# KiCad board Pro_Rev2.kicad_pcb (continued)
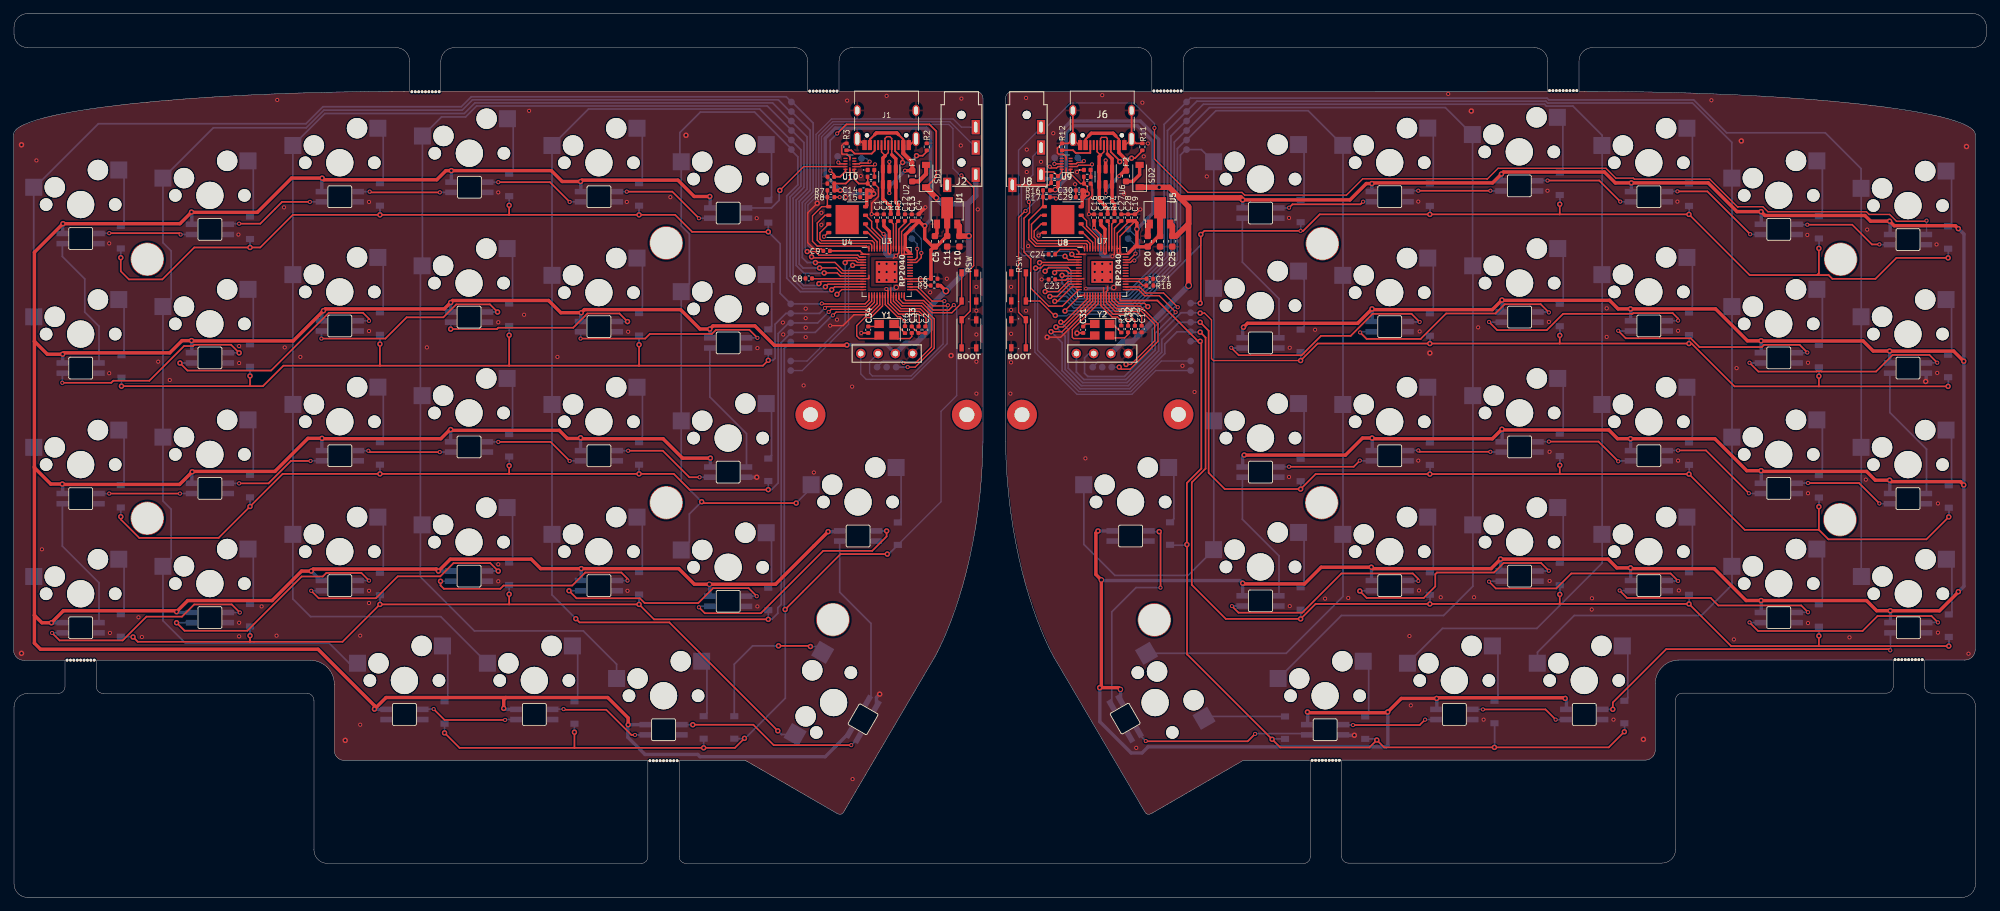
[diagram p0: board, top side]
## Footprints (pads in the part's own frame, mm; a bottom-side part is the same pattern mirrored in y, then rotated)
breakaway04
  round 0.4 hole 0.4 unplated: (-2,0) (-1.5,0) (-1,0) (-0.5,0) (0,0) (0.5,0) (1,0) (1.5,0) (2,0)
C_0402_1005Metric
  rrect 0.56x0.62 smd: 1(-0.48,0) 2(0.48,0)
C_0603_1608Metric
  rrect 0.9x0.95 smd: 1(-0.775,0) 2(0.775,0)
Crystal_SMD_3225-4Pin_3.2x2.5mm
  rect 1.4x1.2 smd: 1(-1.1,-0.85) 2(1.1,-0.85) 3(1.1,0.85) 4(-1.1,0.85)
D_SOD-123
  rect 0.9x1.2 smd: 1(-1.65,0) 2(1.65,0)
Fuse_0603_1608Metric
  rrect 0.875x0.95 smd: 1(-0.787,0) 2(0.787,0)
HOLE_M2_TH
  round 4.9 hole 4.7: (0,0)
LED_0402_1005Metric
  rrect 0.59x0.64 smd: 1(-0.485,0) 2(0.485,0)
MountingHole_2.2mm_M2_Pad
  round 4.4 hole 2.2: 1(0,0)
MX_Socket
  round 1.85 hole 1.85 unplated: (-5.08,0) (5.08,0)
  round 3 hole 3 unplated: (-3.81,2.54) (2.54,5.08)
  round 4 hole 4 unplated: (0,0)
  rect 2.5x2.5 smd far side: 1(-6.9,2.54) 2(5.6,5.08)
OLED_4Pin
  round 1.397 hole 0.813: 1(-3.8,0) 2(-1.26,0) 3(1.28,0) 4(3.82,0)
PJ-320
  round 1.2 hole 1.2 unplated: (0,4.5) (0,-2.5)
  rect 1.2x2.1 hole 0.5x1.6: R1(2.1,-0.3) R2(2.1,2.7) S(-2.1,-5.8) T(2.1,-4.3)
QFN-56-1EP_7x7mm_P0.4mm_EP3.2x3.2mm
  rrect 1.29x1.29 smd: (-0.8,0.8) (-0.8,-0.8) (0.8,0.8) (0.8,-0.8)
  rrect 0.875x0.2 smd: 1(-3.438,2.6) 2(-3.438,2.2) 3(-3.438,1.8) 4(-3.438,1.4) 5(-3.438,1) 6(-3.438,0.6) 7(-3.438,0.2) 8(-3.438,-0.2) 9(-3.438,-0.6) 10(-3.438,-1) 11(-3.438,-1.4) 12(-3.438,-1.8) 13(-3.438,-2.2) 14(-3.438,-2.6) 29(3.438,-2.6) 30(3.438,-2.2) 31(3.438,-1.8) 32(3.438,-1.4) 33(3.438,-1) 34(3.438,-0.6) 35(3.438,-0.2) 36(3.438,0.2) 37(3.438,0.6) 38(3.438,1) 39(3.438,1.4) 40(3.438,1.8) 41(3.438,2.2) 42(3.438,2.6)
  rrect 0.2x0.875 smd: 15(-2.6,-3.438) 16(-2.2,-3.438) 17(-1.8,-3.438) 18(-1.4,-3.438) 19(-1,-3.438) 20(-0.6,-3.438) 21(-0.2,-3.438) 22(0.2,-3.438) 23(0.6,-3.438) 24(1,-3.438) 25(1.4,-3.438) 26(1.8,-3.438) 27(2.2,-3.438) 28(2.6,-3.438) 43(2.6,3.438) 44(2.2,3.438) 45(1.8,3.438) 46(1.4,3.438) 47(1,3.438) 48(0.6,3.438) 49(0.2,3.438) 50(-0.2,3.438) 51(-0.6,3.438) 52(-1,3.438) 53(-1.4,3.438) 54(-1.8,3.438) 55(-2.2,3.438) 56(-2.6,3.438)
  rect 3.2x3.2 smd: 57(0,0)
R_0402_1005Metric
  rrect 0.54x0.64 smd: 1(-0.51,0) 2(0.51,0)
SK6812MINI-E
  rect 1.72x0.82 smd: 1(2.69,0.75) 2(2.69,-0.75)
  rect 1.71x0.82 smd: 3(-2.695,-0.75) 4(-2.695,0.75)
SOT-23-6
  rrect 1.325x0.6 smd: 1(-1.137,0.95) 2(-1.137,0) 3(-1.137,-0.95) 4(1.137,-0.95) 5(1.137,0) 6(1.137,0.95)
SOT-89-3
  rect 1.3x0.9 smd: 1(-1.95,1.5) 3(-1.95,-1.5)
  custom 4.6x1.733 smd: 2(-1.863,0)
SW_Push_1P1T_NO_Vertical_Wuerth_434133025816
  rect 1.05x0.65 smd: 1(-2.075,1.075) 1(2.075,1.075) 2(-2.075,-1.075) 2(2.05,-1.075)
TestPoint_Pad_1mm
  round 1 smd: 1(0,0)
Texas_R-PUQFN-N12
  rect 0.6x0.2 smd: 1(-0.65,0.8) 2(-0.65,0.4) 3(-0.65,0) 4(-0.65,-0.4) 5(-0.65,-0.8) 7(0.65,-0.8) 8(0.65,-0.4) 9(0.65,0) 10(0.65,0.4) 11(0.65,0.8)
  rect 0.15x0.25 smd: 1(-0.425,0.975)
  rect 0.2x0.6 smd: 6(0,-0.8) 12(0,0.8)
USB_C_Receptacle_HRO_TYPE-C-31-M-12
  round 0.65 hole 0.65 unplated: (-2.89,2.6) (2.89,2.6)
  rect 0.6x1.45 smd: A1(-3.25,4.045) A4(-2.45,4.045) A9(2.45,4.045) A12(3.25,4.045) B1(3.25,4.045) B4(2.45,4.045) B9(-2.45,4.045) B12(-3.25,4.045)
  rect 0.3x1.45 smd: A5(-1.25,4.045) A6(-0.25,4.045) A7(0.25,4.045) A8(1.25,4.045) B5(1.75,4.045) B6(0.75,4.045) B7(-0.75,4.045) B8(-1.75,4.045)
  oval 1x2.1 hole 0.6x1.7: S1(-4.32,3.13) S1(4.32,3.13)
  oval 1x1.6 hole 0.6x1.2: S1(-4.32,-1.05) S1(4.32,-1.05)
WSON-8-1EP_6x5mm_P1.27mm_EP3.4x4.3mm
  rrect 1.37x1.73 smd: (-0.85,1.075) (-0.85,-1.075) (0.85,1.075) (0.85,-1.075)
  rrect 0.75x0.5 smd: 1(-2.7,1.905) 2(-2.7,0.635) 3(-2.7,-0.635) 4(-2.7,-1.905) 5(2.7,-1.905) 6(2.7,-0.635) 7(2.7,0.635) 8(2.7,1.905)
  rect 3.4x4.3 smd: 9(0,0)

## Nets
+1V1: C1.1 C2.1 C12.1 U3.23 U3.45 U3.50
+1V2: C16.1 C17.1 C27.1 U7.23 U7.45 U7.50
+3.3VA: C18.1 C19.1 C20.1 C21.1 C22.1 C23.1 C24.1 C26.1 C28.1 C29.1 C30.1 C37.2 R10.2 R16.1 R20.2 U5.2 U7.1 U7.10 U7.22 U7.33 U7.42 U7.43 U7.44 U7.48 U7.49 U8.8 U9.1 U9.12
+3V3: C3.1 C4.1 C5.1 C6.1 C7.1 C8.1 C9.1 C11.1 C13.1 C14.1 C15.1 C35.2 R1.2 R7.1 R19.2 U1.2 U3.1 U3.10 U3.22 U3.33 U3.42 U3.43 U3.44 U3.48 U3.49 U4.8 U10.1 U10.12
+5V: C10.1 C36.1 J2.T J3.3 LED1.1 LED2.1 LED3.1 LED4.1 LED5.1 LED6.1 LED7.1 LED8.1 LED9.1 LED10.1 LED11.1 LED12.1 LED13.1 LED14.1 LED15.1 LED16.1 LED17.1 LED18.1 LED19.1 LED20.1 LED21.1 LED22.1 LED23.1 LED24.1 LED25.1 LED26.1 LED27.1 LED28.1 LED29.1 R9.1 SD1.1 U1.3 U10.11
+5VA: C25.1 C38.1 J7.3 J8.T LED30.1 LED31.1 LED32.1 LED33.1 LED34.1 LED35.1 LED36.1 LED37.1 LED38.1 LED39.1 LED40.1 LED41.1 LED42.1 LED43.1 LED44.1 LED45.1 LED46.1 LED47.1 LED48.1 LED49.1 LED50.1 LED51.1 LED52.1 LED53.1 LED54.1 LED55.1 LED56.1 LED57.1 LED58.1 SD2.1 U5.3 U9.11
GND: BSW1.2 C1.2 C2.2 C3.2 C4.2 C5.2 C6.2 C7.2 C8.2 C9.2 C10.2 C11.2 C12.2 C13.2 C14.2 C15.2 C33.1 C34.1 C35.1 C36.2 J1.A1 J1.A12 J1.B1 J1.B12 J1.S1 J2.S J3.4 LED1.3 LED2.3 LED3.3 LED4.3 LED5.3 LED6.3 LED7.3 LED8.3 LED9.3 LED10.3 LED11.3 LED12.3 LED13.3 LED14.3 LED15.3 LED16.3 LED17.3 LED18.3 LED19.3 LED20.3 LED21.3 LED22.3 LED23.3 LED24.3 LED25.3 LED26.3 LED27.3 LED28.3 LED29.3 R2.2 R3.2 R19.1 RSW1.2 STLED1.1 TP15.1 U1.1 U2.2 U3.19 U3.57 U4.4 U10.6
GNDA: BSW2.2 C16.2 C17.2 C18.2 C19.2 C20.2 C21.2 C22.2 C23.2 C24.2 C25.2 C26.2 C27.2 C28.2 C29.2 C30.2 C31.1 C32.1 C37.1 C38.2 J6.A1 J6.A12 J6.B1 J6.B12 J6.S1 J7.4 J8.S LED30.3 LED31.3 LED32.3 LED33.3 LED34.3 LED35.3 LED36.3 LED37.3 LED38.3 LED39.3 LED40.3 LED41.3 LED42.3 LED43.3 LED44.3 LED45.3 LED46.3 LED47.3 LED48.3 LED49.3 LED50.3 LED51.3 LED52.3 LED53.3 LED54.3 LED55.3 LED56.3 LED57.3 LED58.3 R11.2 R12.2 R18.1 R20.1 RSW2.2 STLED2.1 TP31.1 U5.1 U6.2 U7.19 U7.57 U8.4 U9.6
VBUS: F1.1 J1.A4 J1.A9 J1.B4 J1.B9 U2.5
COL0: SW1.1 SW7.1 SW13.1 SW19.1 TP1.1 U3.7
COL0_R: SW35.1 SW41.1 SW47.1 SW53.1 TP17.1 U7.7
COL1: SW2.1 SW8.1 SW14.1 SW20.1 SW25.1 TP2.1 U3.8
COL1_R: SW34.1 SW40.1 SW46.1 SW52.1 SW58.1 TP18.1 U7.8
COL2: SW3.1 SW9.1 SW15.1 SW21.1 SW26.1 TP3.1 U3.9
COL2_R: SW33.1 SW39.1 SW45.1 SW51.1 SW57.1 TP19.1 U7.9
COL3: SW4.1 SW10.1 SW16.1 SW22.1 SW27.1 TP4.1 U3.11
COL3_R: SW32.1 SW38.1 SW44.1 SW50.1 SW56.1 TP20.1 U7.11
COL4: SW5.1 SW11.1 SW17.1 SW23.1 SW28.1 TP5.1 U3.12
COL4_R: SW31.1 SW37.1 SW43.1 SW49.1 SW55.1 TP21.1 U7.12
COL5: SW6.1 SW12.1 SW18.1 SW24.1 SW29.1 TP6.1 U3.13
COL5_R: SW30.1 SW36.1 SW42.1 SW48.1 SW54.1 TP22.1 U7.13
D+: J1.A6 J1.B6 R4.2 U2.3 U2.4
D+_R: J6.A6 J6.B6 R13.2 U6.3 U6.4
D-: J1.A7 J1.B7 R5.2 U2.1 U2.6
D-_R: J6.A7 J6.B7 R14.2 U6.1 U6.6
IO27: TP33.1 U3.39
IO27_R: TP35.1 U7.39
IO28: TP34.1 U3.40
IO28_R: TP36.1 U7.40
LED: U3.14
LED_HLV: LED6.4 U10.10
LED_HV_R: LED35.4 U9.10
LED_LLV: U10.2
LED_LV_R: U7.14 U9.2
QSPI_SCLK: U3.52 U4.6
QSPI_SCLK_R: U7.52 U8.6
QSPI_SD0: U3.53 U4.5
QSPI_SD0_R: U7.53 U8.5
QSPI_SD1: U3.55 U4.2
QSPI_SD1_R: U7.55 U8.2
QSPI_SD2: U3.54 U4.3
QSPI_SD2_R: U7.54 U8.3
QSPI_SD3: U3.51 U4.7
QSPI_SD3_R: U7.51 U8.7
QSPI_SS: R7.2 R8.2 U3.56 U4.1
QSPI_SS_R: R16.2 R17.2 U7.56 U8.1
Reset: RSW1.1 U3.26
Reset_R: RSW2.1 U7.26
ROW0: D1.1 D2.1 D3.1 D4.1 D5.1 D6.1 TP7.1 U3.15
ROW0_R: D30.1 D31.1 D32.1 D33.1 D34.1 D35.1 TP23.1 U7.15
ROW1: D7.1 D8.1 D9.1 D10.1 D11.1 D12.1 TP8.1 U3.16
ROW1_R: D36.1 D37.1 D38.1 D39.1 D40.1 D41.1 TP24.1 U7.16
ROW2: D13.1 D14.1 D15.1 D16.1 D17.1 D18.1 TP9.1 U3.17
ROW2_R: D42.1 D43.1 D44.1 D45.1 D46.1 D47.1 TP25.1 U7.17
ROW3: D19.1 D20.1 D21.1 D22.1 D23.1 D24.1 TP10.1 U3.18
ROW3_R: D48.1 D49.1 D50.1 D51.1 D52.1 D53.1 TP26.1 U7.18
ROW4: D25.1 D26.1 D27.1 D28.1 D29.1 TP11.1 U3.28
ROW4_R: D54.1 D55.1 D56.1 D57.1 D58.1 TP27.1 U7.28
RX: J2.R1 U3.3
RX_R: J8.R2 U7.3
SCL: J3.2 U3.30
SCL_2: TP12.1 U3.5
SCL_2_R: TP28.1 U7.5
SCL_R: J7.2 U7.30
SDA: J3.1 U3.29
SDA_2: TP13.1 U3.4
SDA_2_R: TP29.1 U7.4
SDA_R: J7.1 U7.29
SPLIT_HAND_PIN_L: R9.2 U3.32
SPLIT_HAND_PIN_R: R18.2 U7.32
SWCLK: TP16.1 U3.24
SWCLK_R: TP32.1 U7.24
SWD: TP14.1 U3.25
SWD_R: TP30.1 U7.25
TX: J2.R2 U3.2
TX_R: J8.R1 U7.2
USB_BOOT: BSW1.1 R8.1
USB_BOOT_R: BSW2.1 R17.1
VDC: F2.1 J6.A4 J6.A9 J6.B4 J6.B9 U6.5
Net-(C31-Pad2): C31.2 Y2.2
Net-(C32-Pad2): C32.2 Y2.4
Net-(C33-Pad2): C33.2 Y1.4
Net-(C34-Pad2): C34.2 Y1.2
Net-(D1-A): D1.2 SW1.2
Net-(D2-A): D2.2 SW2.2
Net-(D3-A): D3.2 SW3.2
Net-(D4-A): D4.2 SW4.2
Net-(D5-A): D5.2 SW5.2
Net-(D6-A): D6.2 SW6.2
Net-(D7-A): D7.2 SW7.2
Net-(D8-A): D8.2 SW8.2
Net-(D9-A): D9.2 SW9.2
Net-(D10-A): D10.2 SW10.2
Net-(D11-A): D11.2 SW11.2
Net-(D12-A): D12.2 SW12.2
Net-(D13-A): D13.2 SW13.2
Net-(D14-A): D14.2 SW14.2
Net-(D15-A): D15.2 SW15.2
Net-(D16-A): D16.2 SW16.2
Net-(D17-A): D17.2 SW17.2
Net-(D18-A): D18.2 SW18.2
Net-(D19-A): D19.2 SW19.2
Net-(D20-A): D20.2 SW20.2
Net-(D21-A): D21.2 SW21.2
Net-(D22-A): D22.2 SW22.2
Net-(D23-A): D23.2 SW23.2
Net-(D24-A): D24.2 SW24.2
Net-(D25-A): D25.2 SW25.2
Net-(D26-A): D26.2 SW26.2
Net-(D27-A): D27.2 SW27.2
Net-(D28-A): D28.2 SW28.2
Net-(D29-A): D29.2 SW29.2
Net-(D30-A): D30.2 SW30.2
Net-(D31-A): D31.2 SW31.2
Net-(D32-A): D32.2 SW32.2
Net-(D33-A): D33.2 SW33.2
Net-(D34-A): D34.2 SW34.2
Net-(D35-A): D35.2 SW35.2
Net-(D36-A): D36.2 SW36.2
Net-(D37-A): D37.2 SW37.2
Net-(D38-A): D38.2 SW38.2
Net-(D39-A): D39.2 SW39.2
Net-(D40-A): D40.2 SW40.2
Net-(D41-A): D41.2 SW41.2
Net-(D42-A): D42.2 SW42.2
Net-(D43-A): D43.2 SW43.2
Net-(D44-A): D44.2 SW44.2
Net-(D45-A): D45.2 SW45.2
Net-(D46-A): D46.2 SW46.2
Net-(D47-A): D47.2 SW47.2
Net-(D48-A): D48.2 SW48.2
Net-(D49-A): D49.2 SW49.2
Net-(D50-A): D50.2 SW50.2
Net-(D51-A): D51.2 SW51.2
Net-(D52-A): D52.2 SW52.2
Net-(D53-A): D53.2 SW53.2
Net-(D54-A): D54.2 SW54.2
Net-(D55-A): D55.2 SW55.2
Net-(D56-A): D56.2 SW56.2
Net-(D57-A): D57.2 SW57.2
Net-(D58-A): D58.2 SW58.2
Net-(J1-CC1): J1.A5 R2.1
Net-(J1-CC2): J1.B5 R3.1
Net-(J6-CC1): J6.A5 R11.1
Net-(J6-CC2): J6.B5 R12.1
Net-(LED1-DIN): LED1.4 LED2.2
Net-(LED1-DOUT): LED1.2 LED7.4
Net-(LED2-DIN): LED2.4 LED3.2
Net-(LED3-DIN): LED3.4 LED4.2
Net-(LED4-DIN): LED4.4 LED5.2
Net-(LED5-DIN): LED5.4 LED6.2
Net-(LED7-DOUT): LED7.2 LED8.4
Net-(LED8-DOUT): LED8.2 LED9.4
Net-(LED10-DIN): LED9.2 LED10.4
Net-(LED10-DOUT): LED10.2 LED11.4
Net-(LED11-DOUT): LED11.2 LED12.4
Net-(LED12-DOUT): LED12.2 LED18.4
Net-(LED13-DIN): LED13.4 LED14.2
Net-(LED13-DOUT): LED13.2 LED19.4
Net-(LED14-DIN): LED14.4 LED15.2
Net-(LED15-DIN): LED15.4 LED16.2
Net-(LED16-DIN): LED16.4 LED17.2
Net-(LED17-DIN): LED17.4 LED18.2
Net-(LED19-DOUT): LED19.2 LED20.4
Net-(LED20-DOUT): LED20.2 LED21.4
Net-(LED21-DOUT): LED21.2 LED22.4
Net-(LED22-DOUT): LED22.2 LED23.4
Net-(LED23-DOUT): LED23.2 LED24.4
Net-(LED24-DOUT): LED24.2 LED29.4
Net-(LED25-DIN): LED25.4 LED26.2
Net-(LED26-DIN): LED26.4 LED27.2
Net-(LED27-DIN): LED27.4 LED28.2
Net-(LED28-DIN): LED28.4 LED29.2
Net-(LED30-DIN): LED30.4 LED31.2
Net-(LED30-DOUT): LED30.2 LED36.4
Net-(LED31-DIN): LED31.4 LED32.2
Net-(LED32-DIN): LED32.4 LED33.2
Net-(LED33-DIN): LED33.4 LED34.2
Net-(LED34-DIN): LED34.4 LED35.2
Net-(LED36-DOUT): LED36.2 LED37.4
Net-(LED37-DOUT): LED37.2 LED38.4
Net-(LED38-DOUT): LED38.2 LED39.4
Net-(LED39-DOUT): LED39.2 LED40.4
Net-(LED40-DOUT): LED40.2 LED41.4
Net-(LED41-DOUT): LED41.2 LED47.4
Net-(LED42-DIN): LED42.4 LED43.2
Net-(LED42-DOUT): LED42.2 LED48.4
Net-(LED43-DIN): LED43.4 LED44.2
Net-(LED44-DIN): LED44.4 LED45.2
Net-(LED45-DIN): LED45.4 LED46.2
Net-(LED46-DIN): LED46.4 LED47.2
Net-(LED48-DOUT): LED48.2 LED49.4
Net-(LED49-DOUT): LED49.2 LED50.4
Net-(LED50-DOUT): LED50.2 LED51.4
Net-(LED51-DOUT): LED51.2 LED52.4
Net-(LED52-DOUT): LED52.2 LED53.4
Net-(LED53-DOUT): LED53.2 LED58.4
Net-(LED54-DIN): LED54.4 LED55.2
Net-(LED55-DIN): LED55.4 LED56.2
Net-(LED56-DIN): LED56.4 LED57.2
Net-(LED57-DIN): LED57.4 LED58.2
Net-(R6-Pad1): R6.1 Y1.1
Net-(R15-Pad1): R15.1 Y2.1
Net-(SD1-A): F1.2 SD1.2
Net-(SD2-A): F2.2 SD2.2
Net-(STLED1-A): R1.1 STLED1.2
Net-(STLED2-A): R10.1 STLED2.2
Net-(U3-USB_DM): R5.1 U3.46
Net-(U3-USB_DP): R4.1 U3.47
Net-(U3-XIN): U3.20 Y1.3
Net-(U3-XOUT): R6.2 U3.21
Net-(U7-USB_DM): R14.1 U7.46
Net-(U7-USB_DP): R13.1 U7.47
Net-(U7-XIN): U7.20 Y2.3
Net-(U7-XOUT): R15.2 U7.21
Net-(U9-A2): TP39.1 U9.3
Net-(U9-B2): TP40.1 U9.9
Net-(U10-A2): TP37.1 U10.3
Net-(U10-B2): TP38.1 U10.9

Pads without a net: H10 1; H11 1; H21 1; H22 1; J1 A8 B8; J6 A8 B8; LED25 2; LED54 2; U3 6 27 31 34 35 36 37 38 41; U4 9; U7 6 27 31 34 35 36 37 38 41; U8 9; U9 4 5 7 8; U10 4 5 7 8

## Via types
v1: diameter 0.6, hole 0.35, Top to Bottom, 292 vias
v2: diameter 0.8, hole 0.4, Top to Bottom, 201 vias
v3: diameter 0.5, hole 0.35, Top to Bottom, 1 via
v4: diameter 0.8, hole 0.5, Top to Bottom, 10 vias
v5: diameter 1, hole 0.6, Top to Bottom, 1 via
v6: diameter 1, hole 0.7, Top to Bottom, 1 via
v7: diameter 0.5, hole 0.3, Top to Bottom, 1 via

## Routing (per net, layer and track width the routed paths; a pad name or vN(x,y) marks a point on that pad's centre or on a via; arc(x,y) is an arc through that point)
+1V1: length 25
  Top w0.2: 128.96,89.68 U3.23 128.96,87.53 130.29,86.2 133.13,86.2 134.16,85.17 134.16,83.98 ; U3.50 128.16,97.35 v1(127.91,97.6) 127.86,97.6 126.96,98.5 C1.1 ; 131.06,99.43 131.06,99.2 130.16,98.3 U3.45 130.16,94.8 v1(129.74,94.38) 129.34,93.98
  Bottom w0.6: v1(129.74,94.38) 128.49,94.38 128.16,94.7 128.16,97.35 v1(127.91,97.6)
+1V2: length 26.2
  Top w0.2: 160.86,89.9 160.86,89.3 160.66,89.1 U7.23 160.66,87.5 161.99,86.18 165.19,86.18 165.86,85.5 C17.1 ; U7.50 159.86,97.5 v1(158.86,98.5) ; 162.86,99.43 162.86,99.42 161.86,98.42 U7.45 161.86,94.6 v1(161.56,94.3)
  Top w0.5: C16.1 v1(158.86,98.5)
  Bottom w0.5: v1(158.86,98.5) 158.86,98.3 159.86,97.3 159.86,94.6 160.16,94.3 v1(161.56,94.3)
+3.3VA: length 116.7
  Top w0.2: U7.44 162.26,94.8 162.46,94.6 ; U7.44 U7.43 ; U7.44 162.26,97.7 163.86,99.3 163.86,99.43 ; C21.1 U7.33 162.56,91 ; 162.46,94.6 U7.42 163.76,94.6 163.96,94.8 ; 162.46,94.6 162.66,94.8 U7.43 ; U9.12 154.76,106.29 R20.2 ; U7.43 162.66,97.23 164.86,99.43 ; C24.1 153.84,95.3 156.26,95.3 156.62,94.94 U7.1 157.56,94.6 ; R10.2 157.35,105.03 C37.2 ; C37.2 157.86,104.52 v2(157.86,103.5) ; C37.2 156.86,105 155.41,106.45 U9.1 ; 157.36,91 U7.10 155.26,91 154.89,91 154.69,90.8 153.24,90.8 C23.1 ; C22.1 164.86,84.87 163.96,85.78 161.69,85.78 160.26,87.2 U7.22 160.26,89.7 ; 160.46,96.5 160.26,96.3 U7.49 160.26,94.8 160.46,94.6 160.66,94.8 U7.48 160.66,96.3 160.46,96.5
  Top w0.5: C18.1 159.86,98.9 160.46,98.3 160.46,96.5 ; U8.8 157.14,101.79 C29.1 ; 164.86,95.7 165.16,96 v4(165.16,98.3) 165.16,99.22 C19.1 C28.1 ; 164.86,95.7 163.96,94.8 ; 164.86,95.7 166.74,95.7 C20.1 166.8,95.73 168.35,97.28 C26.1 ; C29.1 157.36,103 v2(157.86,103.5) 157.36,104 C30.1 C29.1 ; R16.1 153.06,104 v4(153.16,104.1) 153.57,104.51 R20.2 ; 166.56,91.02 C21.1
  Top w0.85: U5.2 C26.1
  Bottom w0.4: 161.66,89.6 157.71,89.6 v7(157.66,89.55)
  Bottom w0.5: v4(165.16,98.3) 167.51,100.65 167.51,111.21 165.22,113.5 155.78,113.5 154.76,112.48 154.76,105.7 v4(153.16,104.1) 153.26,104 157.36,104 v2(157.86,103.5) ; 161.66,89.6 v4(161.76,89.7)
+3V3: length 127.7
  Top w0.2: 125.76,91.5 125.76,91.08 125.69,91 U3.10 117.44,91 C8.1 ; v1(128.31,89.49) 128.31,89.49 128.31,89.48 128.56,89.23 U3.22 128.56,87.36 130.12,85.8 132.97,85.8 133.16,85.61 133.16,83.98 ; 124.47,95.05 U3.1 125.76,94.6 ; 130.96,94.6 130.76,94.4 130.56,94.6 U3.44 130.56,97.93 132.06,99.43 ; 130.96,94.6 U3.42 ; 130.96,94.6 U3.43 ; 130.84,91 U3.33 134.79,91 ; v2(126.46,103.5) 126.46,104.12 C35.2 125.58,105.97 R1.2 ; 128.96,94.8 128.76,94.6 128.56,94.8 U3.49 128.56,96.3 128.76,96.5 128.96,96.3 U3.48 128.96,94.8
  Top w0.25: C35.2 124.26,105 123.61,105.65 123.61,107.08 ; U10.12 122.96,105.6 122.36,105 R19.2 ; 124.47,95.05 124.42,95.1 120.02,95.1
  Top w0.5: C15.1 125.96,103 v2(126.46,103.5) 125.96,104 C14.1 C15.1 ; C15.1 125.44,101.79 U4.8 ; 135.36,95.73 135.69,95.73 137.24,97.28 C11.1 U1.2 ; 135.36,95.73 135.13,95.73 133.96,96.9 v2(133.96,98.8) 133.78,98.8 C4.1 ; 135.36,95.73 134.88,95.25 C6.1 134.88,91.32 ; C4.1 133.06,99.4 131.1,97.44 131.1,95.46 131.8,94.76 131.8,94.75 ; C4.1 C13.1 ; 128.76,96.5 128.76,97.95 127.96,98.75 C3.1 ; v2(121.56,104) R7.1 R19.2
  Bottom w0.5: v1(128.31,89.49) 129.55,89.49 v4(129.78,89.73) ; v2(133.96,98.8) 134.81,99.65 134.81,112.51 134.17,113.15 120.82,113.15 119.34,111.67 119.34,106.23 v2(121.56,104) 122.42,104 122.92,103.5 v2(126.46,103.5)
+5V: length 790.1
  Top w0.25: v1(121.09,112.37) 122.43,113.7 134.66,113.7 135.66,112.7 135.66,105.95 SD1.1 ; 122.31,107.08 122.31,106.78 121.53,106 C36.1 120.64,106.35 v1(120.08,106.9)
  Top w0.5: 3.06,41.5 4.16,40.4 v2(5.56,40.4) 7.32,42.16 23.82,42.16 v2(23.96,42.03) 25.6,43.66 38,43.66 42.34,48 v2(43.76,48) 44.06,48.3 62.16,48.3 v2(62.46,48) 64.21,49.75 76.11,49.75 77.5,48.36 v2(83.46,48.36) 97.8,48.36 100.1,46.06 v4(102.3,46.06) 112.02,46.06 v2(119.76,53.8) ; 3.06,41.5 3.06,63.37 ; 3.06,41.5 3.06,37.4 3.96,36.5 44.76,36.5 53.06,28.2 v2(53.06,27.7) 54.76,29.4 72.36,29.4 ; 3.06,81.8 4.96,79.9 v2(7.21,79.9) 7.41,80.1 22.96,80.1 24.76,81.9 v2(26.16,81.9) 26.2,81.86 41.12,81.86 v2(45.56,86.3) 45.82,86.56 63.32,86.56 v2(64.26,87.5) 64.56,87.8 78.66,87.8 80.46,86 v2(83.46,86) 83.92,86.46 98.07,86.46 100.93,83.6 v2(102.36,83.6) 102.82,84.06 109,84.06 111.86,81.2 122.46,81.2 v2(122.51,81.25) ; 3.06,81.8 3.06,94.9 v2(7.26,99.1) 24.46,99.1 v2(26.16,100.8) 26.2,100.76 35.82,100.76 40.86,105.8 v2(45.36,105.8) 45.6,105.56 62.22,105.56 63.56,106.9 v2(64.36,106.9) 79.06,106.9 80.66,105.3 v2(83.36,105.3) 83.56,105.5 97.66,105.5 100.06,103.1 v2(102.36,103.1) ; 3.06,81.8 3.06,63.37 ; 3.06,63.37 3.06,63.2 5.46,60.8 v2(7.16,60.8) 7.22,60.74 24.4,60.74 v2(26.26,62.6) 26.32,62.66 38.42,62.66 43.28,67.52 v2(45.34,67.52) 45.39,67.47 62.82,67.47 64.01,68.66 64.11,68.66 v2(64.26,68.81) 64.38,68.7 80.23,68.7 81.43,67.5 83.25,67.5 v2(83.36,67.61) 83.51,67.46 95.5,67.46 98.35,64.61 v2(102.45,64.61) ; 72.36,29.4 87.36,29.4 90.36,26.4 v2(90.36,25.4) ; 72.36,29.4 72.06,29.1 v2(72.06,27.8) ; v5(137.08,89.2) 136.28,90 R9.1
  Top w0.8: v4(135.66,102.9) 134.16,104.4 SD1.1 ; v4(140.46,97.3) 140.44,97.28 C10.1 139.06,98.75 U1.3
  Bottom w0.25: v1(120.08,106.9) 120.06,106.93 120.06,111.33 v1(121.09,112.37)
  Bottom w0.5: v2(64.36,106.9) 64.36,105.21 ; v4(102.3,46.06) 102.37,45.99 LED24.1 ; 73.91,27.66 72.2,27.66 v2(72.06,27.8) ; v2(43.76,48) 45.15,46.61 45.31,46.61 ; v2(102.36,103.1) 102.41,103.05 102.41,101.41 ; 122.92,24.28 119.34,20.7 100.92,20.7 100.6,21.03 92.83,21.03 90.31,23.55 90.31,25.35 v2(90.36,25.4) 90.37,25.41 LED27.1 ; v2(45.34,67.52) 45.32,67.5 45.32,65.72 ; 83.41,84.71 83.41,85.95 v2(83.46,86) ; v2(62.46,48) 62.47,48.01 64.31,48.01 ; v2(45.56,86.3) 45.31,86.05 45.31,84.81 ; 102.41,82.31 102.41,83.55 v2(102.36,83.6) ; 7.21,59.41 7.21,60.75 v2(7.16,60.8) ; v2(7.26,99.1) 7.21,99.05 7.21,97.66 ; v2(119.76,53.8) 121.36,53.8 LED29.1 ; LED19.1 5.57,40.41 v2(5.56,40.4) ; 102.41,63.31 102.45,63.35 v2(102.45,64.61) ; 64.31,67.01 64.26,67.06 v2(64.26,68.81) ; 64.31,86.11 64.26,86.16 v2(64.26,87.5) ; 83.41,103.81 83.41,105.25 v2(83.36,105.3) ; v2(23.96,42.03) 24.08,41.91 26.21,41.91 ; 7.21,78.61 v2(7.21,79.9) ; 54.81,27.66 53.1,27.66 v2(53.06,27.7) ; 83.41,65.71 83.36,65.76 v2(83.36,67.61) ; v2(26.16,100.8) 26.21,100.75 26.21,99.01 ; 83.41,46.61 83.46,46.66 v2(83.46,48.36) ; v2(26.16,81.9) 26.21,81.85 26.21,80.11 ; v2(26.26,62.6) 26.21,62.55 26.21,60.91 ; v2(45.36,105.8) 45.31,105.75 45.31,103.81 ; v2(122.51,81.25) 122.56,81.3 128.34,81.3 J3.3
  Bottom w0.8: J3.3 131.14,81.5 132.66,81.5 134.76,83.6 134.76,86.9 137.06,89.2 v5(137.08,89.2) 140.46,92.58 v4(140.46,97.3) 140.26,97.5 140.26,102 ; 140.26,102 136.56,102 v4(135.66,102.9) ; 140.26,102 141.46,103.2 J2.T
+5VA: length 779.7
  Top w0.2: C38.1 154.11,106.67 U9.11 ; C38.1 152.93,106.71 151.47,106.71 J8.T ; C38.1 153.71,106.1
  Top w0.5: 170.38,97.3 C25.1 ; v2(180.93,65.07) 180.94,65.06 195.82,65.06 198.33,67.57 v2(199.73,67.57) 199.84,67.46 217.42,67.46 v2(218.83,68.87) 218.94,68.76 234.53,68.76 235.83,67.47 v2(237.73,67.47) 237.74,67.46 250.13,67.46 254.83,62.77 v2(256.93,62.77) 257.04,62.66 272.43,62.66 273.73,61.37 v2(275.83,61.37) 276.04,61.16 286.24,61.16 v2(286.73,60.67) ; v2(285.93,44.97) 285.93,44.92 283.18,42.16 275.94,42.16 v2(275.93,42.17) 273.93,42.17 272.44,43.66 256.94,43.66 v2(256.93,43.67) 254.73,43.67 250.04,48.36 237.84,48.36 v2(237.73,48.47) 235.73,48.47 234.43,49.76 218.64,49.76 v2(218.63,49.77) 217.22,48.36 199.84,48.36 v2(199.63,48.57) 192.25,48.57 189.79,46.11 180.82,46.11 v2(180.71,46.22) ; v2(228.13,29.27) 228.03,29.37 209.33,29.37 v2(209.23,29.27) 204.03,29.27 v2(202.03,27.27) 201.92,27.16 190.34,27.16 v2(190.23,27.27) ; v2(159.43,53.9) 159.13,53.6 159.13,47.5 v4(159.93,46.7) 159.93,31.1 v2(159.68,30.85) 162.48,30.85 v4(162.74,30.6) ; v2(180.71,102.6) 196.48,102.6 198.88,105 v2(199.71,105) 199.81,105.1 217.46,105.1 v2(218.76,106.4) 219.06,106.7 233.9,106.7 235.5,105.1 v2(237.86,105.1) 249.16,105.1 253.39,100.87 v2(256.93,100.87) 257.5,100.3 272.2,100.3 273.03,99.47 v2(275.83,99.47) 276.5,98.8 285.5,98.8 v2(285.93,98.37) ; v2(180.83,83.87) 181.41,84.45 197.61,84.45 v2(199.73,86.57) 199.84,86.46 217.42,86.46 v2(218.83,87.87) 218.88,87.82 234.66,87.82 235.91,86.57 v2(237.73,86.57) 237.74,86.56 250.23,86.56 254.93,81.87 v2(256.93,81.87) 256.95,81.85 271.94,81.85 273.42,80.37 v2(275.83,80.37) 275.84,80.36 285.24,80.36 v2(286.73,78.87)
  Top w0.8: SD2.1 169.91,104.45 171.46,102.9 ; v6(172.76,90) 172.76,101.6 ; 171.46,102.9 180.41,102.9 v2(180.71,102.6) ; 171.46,102.9 172.76,101.6 ; 172.76,101.6 172.76,99.1 170.94,97.28 C25.1
  Top w0.85: U5.3 170.36,98.75 C25.1
  Bottom w0.5: 202.06,27.27 202.05,27.26 202.05,22.36 201.84,22.15 166.76,22.15 ; 166.76,22.1 165.91,21.25 164.31,21.25 159.71,25.85 159.71,30.85 ; J8.T 151.66,105.7 153.77,105.7 154.06,105.99 154.06,112.77 155.49,114.2 165.66,114.2 168.36,111.5 168.36,104.53 v4(168.44,104.45) ; v2(199.71,105) 199.71,103.83 ; 199.76,67.57 199.76,65.76 199.71,65.71 ; 285.96,98.37 286.76,97.57 286.76,45.77 285.96,44.97 ; 237.81,103.81 237.86,103.86 v2(237.86,105.1) ; 199.76,86.57 199.76,84.76 199.71,84.71 ; 275.91,78.61 275.86,78.66 275.86,80.37 ; 162.76,30.6 162.76,28.96 ; 180.71,63.31 180.71,64.82 180.96,65.07 ; 180.86,83.87 180.71,83.72 180.71,82.31 ; 218.66,49.77 218.66,48.16 218.81,48.01 ; 237.81,65.71 237.76,65.76 237.76,67.47 ; 256.96,100.87 256.96,99.06 256.91,99.01 ; 256.96,81.87 256.96,80.16 256.91,80.11 ; 161.57,53.86 161.12,53.86 161.08,53.9 159.46,53.9 ; 218.86,87.87 218.86,86.16 218.81,86.11 ; 237.76,48.47 237.76,46.66 237.81,46.61 ; 256.96,43.67 256.96,41.96 256.91,41.91 ; 228.31,27.66 228.31,29.12 228.16,29.27 ; 199.71,46.61 199.66,46.66 199.66,48.57 ; 256.96,62.77 256.96,60.96 256.91,60.91 ; 209.26,29.27 209.26,27.71 209.21,27.66 ; v2(180.71,102.6) 180.71,101.48 LED30.1 ; 159.96,46.75 160.11,46.6 180.33,46.6 v2(180.71,46.22) 180.71,44.36 ; 275.96,42.17 275.96,40.41 ; 275.91,97.51 275.91,99.42 275.86,99.47 ; 237.76,86.57 237.76,84.86 237.81,84.81 ; 190.21,25.41 190.26,25.46 190.26,27.27 ; 275.86,61.37 275.86,59.46 275.91,59.41 ; v2(218.76,106.4) 218.76,105.41 ; 218.81,67.01 218.86,67.06 218.86,68.87
  Bottom w0.8: v6(172.76,90) 164.56,81.8 163.14,81.8 J7.3
GND: length 45.4
  Top w0.2: 127.36,91 v1(128.36,92) ; C33.1 133.02,83.02 C7.2 C2.2 ; C9.2 118.75,95.4 117.66,95.4 116.76,96.3 116.76,100.7 v2(118.16,102.1) ; C1.2 126.18,100.48 v1(126.16,100.5) 126.16,102.1 127.16,103.1 127.16,104.38 C35.1 ; U3.19 127.36,87.17 125.89,85.7 123.56,85.7 121.96,84.1 v1(120.06,84.1) ; U10.6 122.96,108.9 122.54,109.32 121.84,109.32 121.76,109.4 121.76,110.6 122.07,110.91 R3.2 ; v1(119.16,97.2) 119.76,97.8 U4.4 ; U2.2 v1(128.76,108.2)
  Top w0.25: J1.S1 124.19,111.57 J1.A12 ; v1(124.63,83.03) 125.65,83.03 C34.1 ; J1.S1 131.77,110.66 J1.A1
  Top w0.5: U1.1 135.76,97.68 135.36,97.28 ; C4.2 133.06,100.5 v1(134.06,101.5)
  Bottom w0.5: 126.87,28.12 126.87,29.43 v2(127.34,29.9) ; v2(109.26,61.8) 109.25,61.81 107.71,61.81
  vias: v1(3.36,108.4) v1(4.16,51.2) v1(14.06,96.2) v1(14.06,77.1) v1(14.16,38.9) v1(18.36,41.2) v1(18.86,38.3) v1(21.26,78.8) v1(22.96,76.1) v1(33.06,97.5) v1(33.16,81.1) v1(33.16,78.6) v1(33.16,40.4) v1(33.16,38.4) v1(36.46,42.8) v1(38.66,38.5) v1(38.76,117.3) v1(39.76,101.5) v1(39.86,80.9) v1(42.16,79.5) v1(50.96,38.5) v1(50.96,25.4) v1(52.26,102.3) v1(52.26,83.3) v1(52.26,45.1) v1(52.26,43.3) v1(60.76,80.9) v1(71.26,103.7) v1(71.26,84.6) v1(71.26,49) v1(71.26,46.5) v1(75.06,85.7) v1(75.79,115.7) v1(79.96,79.5) v1(90.16,102.3) v1(90.26,45.1) v1(90.36,83.2) v1(96.56,103) v1(109.26,99.9) v1(109.36,80.8) v1(109.36,42.8) v1(113.1,84.56) v1(113.16,82.8) v1(116.16,75.3) v1(116.46,86.6) v1(116.46,85.2) v1(116.46,83.8) v1(116.46,82.4) v1(117.66,62.5) v1(118.76,100.7) v1(118.76,98.93) v1(121.06,84.98) v1(122.36,103) v1(122.56,117.2) v1(123.29,75.13) v1(123.36,17.4) v1(124.56,106.1) v1(127.26,93.2) v1(127.26,92) v1(127.26,90.8) v1(128.36,117.9) v1(128.36,93.2) v1(128.36,90.8) v1(129.56,93.2) v1(129.56,92) v1(129.56,90.8) v1(134.76,89) v1(137.21,91) v1(139.26,110.6) v1(139.36,117.5) v1(141.56,89.8) v1(141.56,86.3) v1(141.56,82.8) v1(141.56,78.8) v1(141.56,74.1) v1(141.76,101.2) v2(1.16,110.7) v2(1.16,35.9) v2(48.76,23.1) v2(98.86,112.1) v2(137.84,79.7)
GNDA: length 55
  Top w0.2: v2(151.96,82.4) 153.96,82.4 159.06,87.5 U7.19 ; J6.S1 163.47,110.66 J6.A1 ; U8.4 151.14,97.8 v1(150.7,97.36) ; v1(156.36,106.7) 156.66,107 STLED2.1 ; U9.6 154.76,108.9 154.34,109.32 153.64,109.32 153.46,109.5 153.46,110.21 R12.2 ; C30.2 C29.2 ; v1(158.11,100.5) 158.11,102.75 158.56,103.2 158.56,104.78 C37.1 ; C38.2 152.58,105.13 R20.1 152.25,104.8 J8.S ; J6.A12 156.66,110.66 J6.S1
  Top w0.25: C27.2 C28.2 C19.2 164.94,100.48 v1(165.66,101.2) ; R12.2 155.08,110.91 J6.S1 J6.S1 ; C31.1 156.38,83.02 v2(156.36,83) ; J6.S1 J6.S1 165.04,110.91 R11.2 ; v1(158.11,100.5) 158.13,100.48 C16.2 ; v1(163.86,84.8) C32.1
  Top w0.5: 160.56,107.19 v1(160.56,108.4)
  Top w0.85: U5.1 166.76,98.75 C20.2
  Bottom w0.5: 281.21,77.11 281.21,75.94 281.16,75.89 ; 195.51,23.91 195.57,23.85 197.16,23.85
  vias: v1(146.56,74.1) v1(146.66,89.8) v1(146.66,86.4) v1(146.66,82.9) v1(146.66,78.7) v1(148.86,117.6) v1(148.86,86.3) v1(148.96,110) v1(148.96,106.7) v1(149.16,95.8) v1(151.06,108.2) v1(151.16,90.9) v1(152.86,112.4) v1(156.06,104.9) v1(157.59,64.58) v1(158.96,93.2) v1(158.96,92) v1(158.96,90.8) v1(160.06,118) v1(160.06,93.2) v1(160.06,92) v1(160.06,90.8) v1(161.26,93.2) v1(161.26,92) v1(161.26,90.8) v1(163.26,103.5) v1(165.06,22) v1(165.96,116.9) v1(166.16,109) v1(166.76,110.9) v1(171.86,78.2) v1(173.63,74.35) v1(175.43,106.05) v1(187.53,99.95) v1(187.53,61.85) v1(187.63,80.85) v1(187.63,42.85) v1(191.36,83.5) v1(192.83,43.95) v1(196.23,44.05) v1(205.23,38.45) v1(205.43,28.25) v1(206.53,102.35) v1(206.53,64.25) v1(206.63,45.15) v1(206.73,83.25) v1(209.83,44.15) v1(210.93,118.19) v1(214.73,44.15) v1(215.33,83.85) v1(216.13,26.15) v1(225.53,103.95) v1(225.73,84.65) v1(225.83,65.55) v1(225.83,46.55) v1(232.06,44) v1(232.03,42.35) v1(234.23,86.65) v1(234.23,82.45) v1(235.23,26.15) v1(244.63,102.35) v1(244.73,83.35) v1(244.73,64.25) v1(244.83,45.15) v1(249.63,117.25) v1(252.93,37.95) v1(253.33,77.85) v1(263.73,97.45) v1(263.83,78.65) v1(263.83,59.45) v1(263.83,40.35) v1(269.93,38.25) v1(272.33,61.45) v1(272.53,98.23) v1(282.73,96.05) v1(282.83,77.15) v1(282.93,57.95) v1(282.93,38.95) v1(287.43,35.85) v2(197.13,23.85) v2(208.23,80.07) v2(214.33,115.67) v2(239.63,23.25) v2(254.03,111.27) v2(281.13,75.89) v2(287.13,110.45)
VBUS: length 18.3
  Top w0.2: 132.12,106.9 F1.1
  Top w0.3: J1.A9 125.91,111.5 126.61,112.2 ; 130.11,112.2 130.81,111.5 J1.A4
  Top w0.5: 126.61,112.2 126.86,112.45 129.86,112.45 130.11,112.2 ; U2.5 v1(128.76,103.6) ; v1(131.06,106.9) 132.12,106.9
  Top w0.6: F1.1 132.13,108.13 130.81,109.45 J1.A4
  Bottom w0.5: v1(131.06,106.9) 128.76,104.6 v1(128.76,103.6)
COL0: length 209.1
  Top w0.2: U3.7 121.96,92.2 120.76,93.4 117.92,93.4 v2(117.89,93.38)
  Bottom w0.25: SW19.1 SW13.1 SW7.1 2.96,104.3 12.46,113.8 42.99,113.8 45.49,116.3 65.82,116.3 67.29,117.76 113.6,117.76 TP1.1 114.46,117 117.56,113.9 117.56,103.8 115.96,102.2 115.96,94.1 116.68,93.38 v2(117.89,93.38)
COL0_R: length 215.6
  Top w0.2: U7.7 155.46,92.2 155.06,92.6 152.16,92.6 v2(151.66,92.1)
  Bottom w0.25: SW35.1 271.63,107.2 266.36,112.47 251.86,112.47 247.03,117.3 225.73,117.3 225.47,117.57 173.03,117.57 TP17.1 169.16,113.7 169.16,94.38 163.78,89 163.76,89 163.74,88.98 156.8,88.98 155.48,90.3 155.48,92.19 154.99,92.67 152.23,92.67 v2(151.66,92.1) ; 271.66,104.3 271.66,47.25
COL1: length 230.4
  Top w0.2: U3.8 121.76,91.8 120.96,92.6 118.52,92.6 v2(118.5,92.58)
  Bottom w0.25: SW25.1 49.35,34.45 46.4,37.4 25.26,37.4 21.96,40.7 SW20.1 23.16,49.9 23.16,57.1 21.96,58.3 SW14.1 SW8.1 23.16,88.1 23.16,95.1 21.96,96.3 SW2.1 29.36,113.2 43.02,113.2 45.62,115.8 65.96,115.8 67.47,117.31 112.45,117.31 114.16,115.6 TP2.1 117.11,112.85 117.11,103.99 115.51,102.39 115.51,93.15 116.08,92.58 v2(118.5,92.58)
COL1_R: length 230.8
  Top w0.2: U7.8 155.16,91.8 154.76,92.2 153.36,92.2 v2(153.06,91.9)
  Bottom w0.25: 224.06,34.45 224.06,36.07 229.46,41.47 248.16,41.47 252.66,45.97 252.66,105.8 ; SW34.1 252.63,111.06 246.84,116.85 225.55,116.85 225.28,117.12 173.98,117.12 TP18.1 169.66,112.8 169.66,94.25 163.94,88.53 156.62,88.53 155.03,90.12 155.03,92 154.8,92.22 153.38,92.22 v2(153.06,91.9)
COL2: length 209.6
  Top w0.2: v2(119.18,91.85) 121.11,91.85 121.56,91.4 U3.9
  Bottom w0.25: v2(119.18,91.85) 119.13,91.8 116.22,91.8 115.06,92.96 115.06,102.57 116.66,104.17 116.66,111.87 114.33,114.2 114.26,114.2 111.6,116.86 67.82,116.86 66.26,115.3 45.76,115.3 SW3.1 SW9.1 41.06,72.52 SW15.1 41.07,53.41 SW21.1 41.06,43.9 43.66,41.3 62.81,41.3 SW26.1
COL2_R: length 205.7
  Top w0.2: U7.9 154.26,91.4 v2(154.16,91.5)
  Bottom w0.25: 172.36,114.2 170.16,112 170.16,94.11 164.13,88.08 156.43,88.08 154.16,90.35 v2(154.16,91.5) ; 204.96,34.45 210.08,39.57 223.96,39.57 233.56,49.17 233.56,112.1 229.26,116.4 225.36,116.4 225.09,116.67 174.93,116.67 TP19.1
